# Altium PCB PCB.PcbDoc (part 2 of 4) (continued)
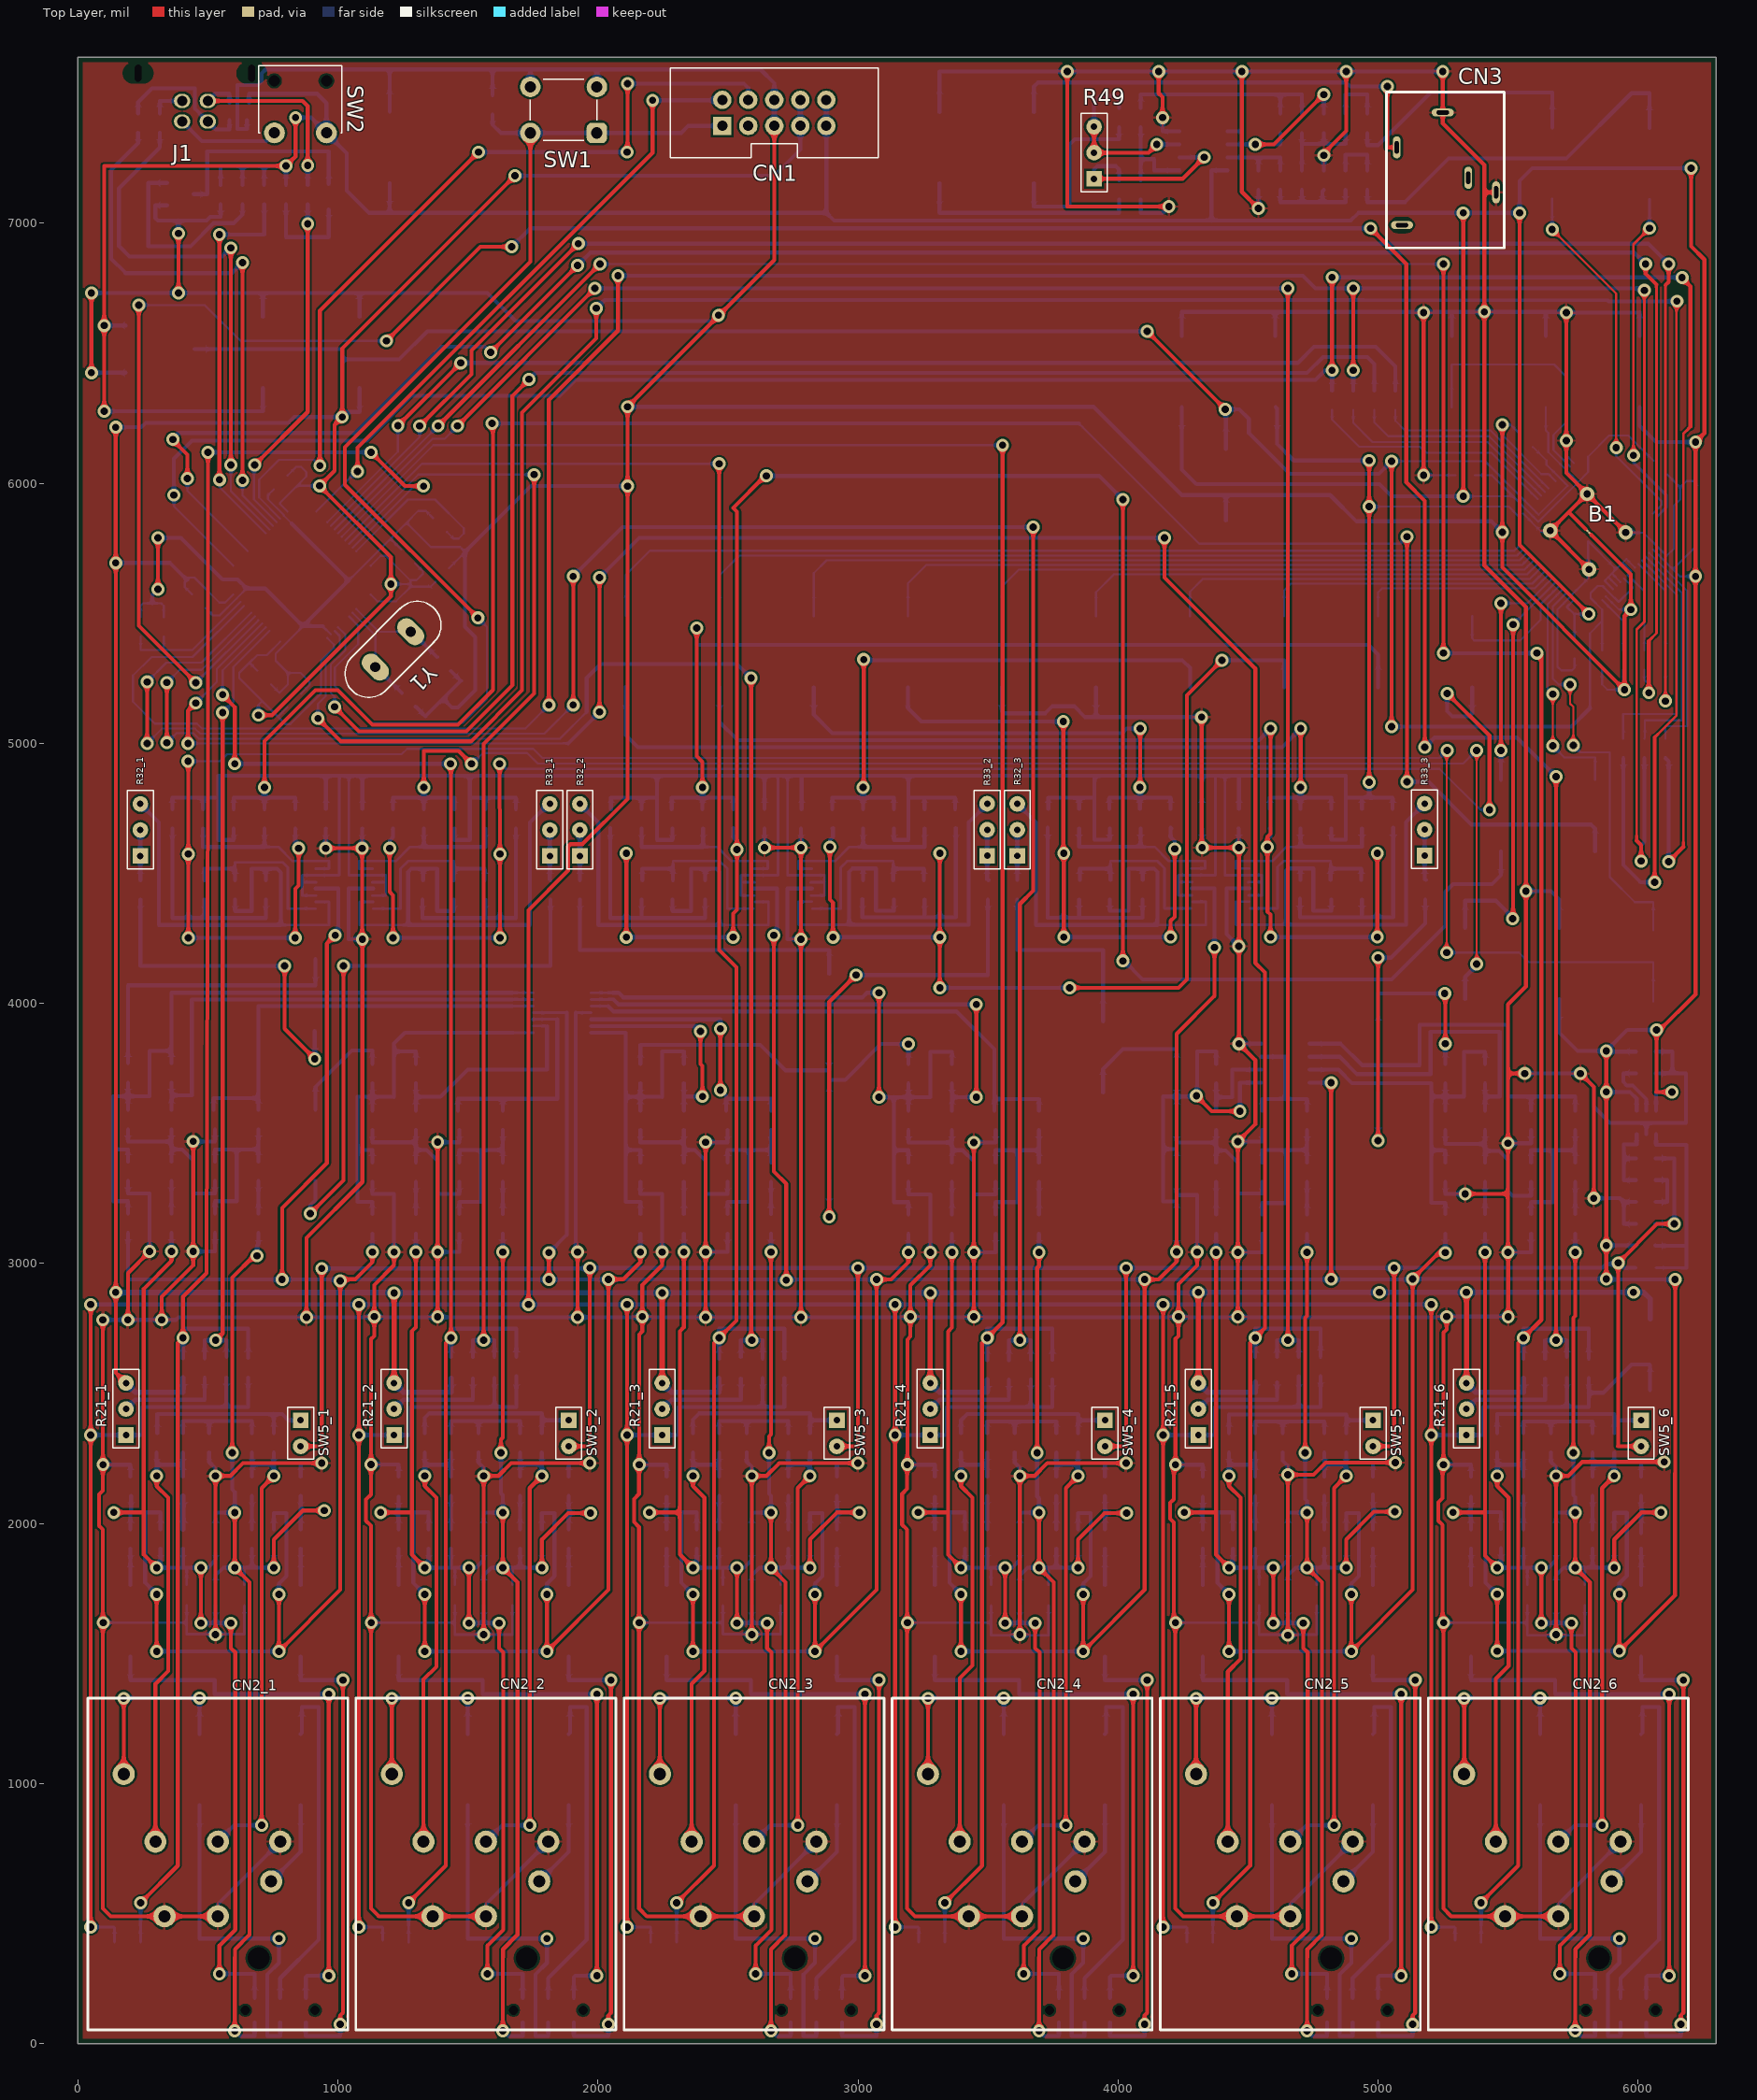
[diagram p0: Top Layer view]
## Nets (pads, with @x,y where several pads share a name; then routed paths per layer and width w, separated by ;. In a path a pad name is that pad's centre, name@x,y a point inside that pad or via, vN(x,y) a via of type N, cw(c..) or ccw(c..) an arc to the next point about the centre after c; other vN are vias at no path point) (continued)
  Bottom Layer w8: v1(5174.7,6031) C25.2@5297.24,6031 ; U3.2@5557.23,5883.37 5626.13,5814.47 U3.EPAD@5662.13,5814.47 ; v1(5723.43,6163.88) 5723.43,6106.92 U3.16@5752.1,6078.24 ; C29.2@5755.41,5326.77 5755.41,5290.35 5745.57,5280.51 5703.74,5280.51 5689.75,5294.5 5689.75,5514.24 5738.19,5562.68 U3.50@5738.19,5564.61 5807.09,5633.52 5807.09,5777.34 5915.14,5669.29 ; U3.45@5903.83,5592.45 5871.06,5625.22 5884.6,5638.75 ; U3.44@5917.75,5606.37 5885.37,5638.75 5884.6,5638.75 ; U3.43@5931.67,5620.29 5899.67,5652.28 5898.13,5652.28 ; v2(5952.04,5810.93) 5953.43,5809.55 6020.8,5809.55 U3.33@6070.86,5759.49 6109.38,5720.96 6136.81,5748.39 6136.81,5912.89 6161.42,5937.5 6161.42,5984.25 ; U3.40@5973.42,5662.05 5941.36,5694.11 5939.96,5694.11 ; U3.39@5987.34,5675.97 5954.58,5708.73 5939.96,5694.11 ; C30.2@6111.58,6034.08 6161.42,5984.25 ; C21.2@6222.93,5965.06 6222.93,6008.86 6186.02,6008.86 6161.42,5984.25 ; 5884.6,5638.75 5898.13,5652.28 ; 5898.13,5652.28 5915.14,5669.29 ; 5915.14,5669.29 5939.96,5694.11
  Bottom Layer w10: v1(96.76,1618.3) 418.31,1618.3 ; D3_1.2@418.31,1683.86 418.31,1618.3 ; D4_1.2@639.76,1683.86 639.76,1574.8 529.04,1574.8 418.31,1574.8 418.31,1618.3 ; v1(1127.76,1618.3) 1449.31,1618.3 ; D3_2.2@1449.31,1683.86 1449.31,1618.3 ; D4_2.2@1670.77,1683.86 1670.77,1572.34 1449.31,1572.34 1449.31,1618.3 ; 1914.37,3964.07 U7.11@1973.7,3964.07 ; v1(2158.77,1618.3) 2480.31,1618.3 ; D3_3.2@2480.32,1683.86 2480.31,1618.3 ; D4_3.2@2701.77,1683.86 2701.77,1574.8 2480.31,1574.8 2480.31,1618.3 ; v1(3189.77,1618.3) 3511.32,1618.3 ; D3_4.2@3511.32,1683.86 3511.32,1618.3 ; D4_4.2@3732.78,1683.86 3732.78,1569.88 3511.32,1569.88 3511.32,1618.3 ; v1(4220.78,1618.3) 4542.32,1618.3 ; D3_5.2@4542.32,1683.86 4542.32,1618.3 ; D4_5.2@4763.78,1683.86 4763.78,1572.34 4542.32,1572.34 4542.32,1618.3 ; v1(5251.78,1618.3) 5573.33,1618.3 ; D3_6.2@5573.33,1683.86 5573.33,1618.3 ; D4_6.2@5794.78,1683.86 5794.78,1569.88 5573.33,1569.88 5573.33,1618.3
  Bottom Layer w15: v1(95.96,2782.97) v1(191.93,2782.97) v1(322.34,2782.97) 376.48,2782.97 386.32,2792.82 v1(878.44,2792.82) v1(1921.75,2792.82) v1(2413.88,2792.82) v1(2780.51,2792.82) v1@5251.4,2792.82 ; v1(96.38,2226.07) 201.77,2226.07 R52.2@201.77,2180.31 ; R80.2@191.93,3316.44 191.93,3269.19 275.59,3269.19 v1@275.59,3049.7 ; v1(442.91,3046.26) 526.57,3046.26 R88.1@526.57,3117.13 ; v1@442.91,3468.5 526.57,3468.5 C73.2@526.57,3515.75 ; C91_1.2@504.43,2273.13 504.43,2236.71 529.04,2212.11 v1(529.04,2182.58) ; v1(529.03,1572.32) v1@529.04,1574.8 ; CN2_1.G@537.8,489.28 537.8,536.28 CN2_1.1@777.8,776.28 ; R54.2@856.3,2180.31 856.3,2231.79 v1(937.5,2231.79) ; v1(952.26,4596.46) 952.26,4671.12 C59_1.2@953.38,4672.24 ; v1(1092.52,4596.46) 1092.52,4671.12 C60_1.2@1093.64,4672.24 ; v1(1093.64,4247.05) 1040.85,4247.05 1040.85,4441.44 U4_1.11@1135.74,4441.44 ; v1(1126.97,2226.87) 1231.98,2226.87 1232.78,2226.07 R56.2@1232.78,2180.31 ; R91.2@1131.89,3313.98 1131.89,3266.73 1215.55,3266.73 v1@1215.55,3047.24 ; v1(1382.87,3043.8) 1466.54,3043.8 R100.1@1466.54,3114.67 ; v1@1382.87,3466.04 1466.54,3466.04 C77.2@1466.54,3513.29 ; C91_2.2@1540.35,2273.13 1540.35,2234.25 1560.04,2214.57 v1(1560.04,2182.58) ; CN2_2.G@1568.8,489.28 1568.8,536.28 CN2_2.1@1808.8,776.28 ; R58.2@1887.3,2180.31 1887.3,2231.79 v1(1968.5,2231.79) ; 1914.37,3964.07 1914.37,3051.18 v1(1921.75,3043.8) ; v1(2158.39,2226.07) 2263.78,2226.07 R60.2@2263.78,2180.31 ; R102.2@2162.89,3313.98 2162.89,3266.73 2246.56,3266.73 v1@2246.56,3047.24 ; v1(2413.88,3043.8) 2497.54,3043.8 R110.1@2497.54,3114.67 ; v1(2413.88,3466.04) 2497.54,3466.04 C79.2@2497.54,3513.29 ; C91_3.2@2571.36,2273.13 2571.36,2236.71 2591.04,2217.03 v1(2591.04,2182.58) ; CN2_3.G@2599.8,489.28 2599.8,536.28 CN2_3.1@2839.8,776.28 ; v1(2640.26,4598.92) C59_2.2@2640.26,4672.24 ; v1(2780.51,4247.05) 2727.72,4247.05 2727.72,4441.44 U4_2.11@2822.61,4441.44 ; v1(2780.51,4598.92) C60_2.2@2780.51,4672.24 ; R62.2@2918.31,2180.31 2918.31,2231.79 v1(2999.51,2231.79) ; v1(3189.39,2226.07) 3294.78,2226.07 R64.2@3294.78,2180.31 ; R113.2@3193.9,3312.99 3193.9,3265.75 3277.56,3265.75 v1@3277.56,3046.26 ; C67.2@3313.09,7427.85 3313.09,7583.66 v1(3804.13,7583.66) v1(4156,7583.66) v1(4475.88,7583.66) v1(4876.97,7583.66) v1(5248.52,7583.66) ; v1(3444.88,3042.81) 3528.54,3042.81 R121.1@3528.54,3113.68 ; v1(3444.88,3465.06) 3528.54,3465.06 C82.2@3528.54,3512.3 ; C36.2@3553.15,5214.87 3553.15,5123.03 3560.53,5115.65 3720.47,5115.65 3747.54,5142.72 3831.2,5142.72 3873.03,5100.89 3914.86,5100.89 ; C91_4.2@3602.36,2273.13 3602.36,2234.25 3622.05,2214.57 v1(3622.05,2182.58) ; CN2_4.G@3630.81,489.28 3630.81,536.28 CN2_4.1@3870.81,776.28 ; C32.2@3914.86,5214.87 3914.86,5100.89 ; R66.2@3949.31,2180.31 3949.31,2231.79 v1(4030.51,2231.79) ; R47.1@4087.11,7091.04 4087.11,7039.86 4170.77,7039.86 v1(4195.37,7064.47) ; v1(4170.77,7406.5) 4170.77,7353.54 U5.8@4235.25,7353.54 ; v1(4220.39,2226.07) 4325.79,2226.07 R68.2@4325.79,2180.31 ; R124.2@4224.76,3312.99 4224.76,3263.19 4235.12,3263.19 4235.51,3262.8 4303.64,3262.8 v1(4303.64,3043.8) ; C28.2@4244.59,6566.63 4244.59,6659.33 4603.84,6659.33 ; v1(4320.87,5100.89) 3914.86,5100.89 ; C59_3.2@4322.48,4672.74 4323.33,4671.89 v1(4323.33,4598.92) ; v1(4460.57,3042.81) 4554.07,3042.81 R132.1@4554.07,3113.68 ; v1(4460.57,3468.5) 4554.07,3468.5 C85.2@4554.07,3512.3 ; C60_3.2@4462.74,4672.74 4463.58,4671.89 v1(4463.58,4598.92) ; v1(4463.58,4219.98) 4416.83,4266.73 4416.83,4441.93 U4_3.11@4504.84,4441.93 ; v1(4464.76,3844.68) U8.4@4550.21,3844.68 ; v1(4539.86,7057.09) C66.2@4539.86,7127.95 ; C31.2@4603.84,6566.63 4603.84,6659.33 ; C91_5.2@4633.37,2273.13 4633.37,2241.63 4653.05,2221.95 v1(4653.05,2187.5) ; CN2_5.G@4661.81,489.28 4661.81,536.28 CN2_5.1@4901.81,776.28 ; v1(4790.81,7261.23) R48.1@4790.85,7202.75 R48.1@4790.85,7202.75 ; R70.2@4980.31,2180.31 4980.31,2234.25 v1(5066.44,2234.25) ; v1(5251.4,2226.07) 5356.79,2226.07 R72.2@5356.79,2180.31 ; R135.2@5258.37,3312.99 5258.37,3267.72 v1(5334.65,3267.72) ; v1(5263.29,2795.28) 5499.51,2795.28 v1(5499.92,2794.86) ; C35.2@5282.97,6566.63 5282.97,6656.87 5280.51,6659.33 ; v1(5499.51,3042.81) 5588.09,3042.81 R143.1@5588.09,3114.67 ; v1(5499.51,3462.11) 5588.09,3462.11 C88.2@5588.09,3512.3 ; v1(5563.48,3730.32) v1(5777.56,3730.32) 5829.23,3678.64 5829.23,3602.36 5891.24,3540.35 6031.5,3540.35 ; v1(5568.34,4431.59) 5664.37,4431.59 5696.36,4399.61 C19.2@5696.36,4290.54 ; C27.2@5644.69,6566.63 5644.69,6656.87 5642.22,6659.33 ; C91_6.2@5664.37,2273.13 5664.37,2236.71 5684.06,2217.03 v1(5684.06,2182.58) ; CN2_6.G@5692.81,489.28 5692.81,536.28 CN2_6.1@5932.81,776.28 ; v1(5723.36,6655.92) 6003.86,6655.92 6006.4,6658.46 C23.2@6006.4,6566.63 ; v1@5723.43,6659.33 5642.22,6659.33 ; v1(5829.23,3250.49) 5930.7,3250.49 5944.88,3236.31 ; C69.2@5991.14,3152.07 5944.88,3152.07 5944.88,3236.31 ; R77.1@5991.61,3236.31 5944.88,3236.31 ; R74.2@6011.32,2180.31 6011.32,2236.71 v1(6099.9,2236.71) ; U6.2@6031.5,3497.6 6031.5,3540.35 ; C70.2@6066.42,3730.9 6182.98,3730.9 6183.56,3730.31 6183.56,3540.35 6031.5,3540.35 ; C68.2@6066.42,3814.56 6131.4,3814.56 6131.4,3730.31 ; 4603.84,6659.33 5280.51,6659.33 ; 5280.51,6659.33 v1(5408.46,6659.33) 5642.22,6659.33
  other v1: 4653.05,1569.88 3444.88,2794.86 4460.57,2794.86
DGND: B1.2 C1.2 C2.2 C3.2 C4.2 C5.1 C6.1 C7.2 C8.2 C9.2 C10.2 C11.2 C12.2 C13.2 C14.2 C15.2 C20.2 C22.2 C24.2 C26.2 C49_1.2 C49_2.2 C49_3.2 C49_4.2 C49_5.2 C49_6.2 C50_1.2 C50_2.2 C50_3.2 C50_4.2 C50_5.2 C50_6.2 CN1.5 CN1.6 J1.5 J1.6 Q1.2 R1.1 R11.1 R21_1.1 R21_2.1 R21_3.1 R21_4.1 R21_5.1 R21_6.1 SP1.1 SW1.2 SW4_1.3 SW4_2.3 SW4_3.3 SW4_4.3 SW4_5.3 SW4_6.3 U1.1 U2.12 U2.18 U2.31 U2.47 U2.63 U3.11 U3.47 | length 49714.9
  Top Layer w8: B1.2@5811.59,5809.97 5819.39,5802.17
  Top Layer w15: v1(49.21,447.83) v1(49.21,2340.06) v1(49.21,2842.03) ; v1@49.21,6420.28 v1@54.13,6425.2 ; v1@50.01,6733.08 49.21,6732.28 51.67,6729.82 v1(51.67,6425.2) ; v1(307.58,5593.01) v1(307.58,5789.86) ; v1(386.32,6732.28) v1(386.32,6961.12) ; v1(1080.22,447.83) v1(1080.22,2340.06) v1(1080.22,2841.93) ; v1(1732.28,2842.03) 1732.28,4358.54 1884.48,4510.74 1884.48,4603.35 1893.56,4612.43 1939.83,4612.43 2113.68,4786.28 v1(2113.68,5989.17) v1(2113.68,6294.29) 2677.85,6858.46 CN1.5@2677.85,7374.51 ; v1(2111.22,447.83) v1(2111.22,2842.03) ; v1(3142.22,447.83) v1(3142.22,2340.06) v1(3142.22,2842.03) ; v1(4173.23,447.83) v1(4173.23,2340.06) v1(4173.23,2842.03) ; v1(5204.23,447.83) v1(5204.23,2340.06) v1(5204.23,2842.03) ; v1(5477.36,6225.39) v1(5477.36,5812.01) 5477.36,5676.54 v1(5947.27,5206.63) 5947.27,5489.59 v1(5971.95,5514.27) 5971.95,5649.61 5819.39,5802.17
  Bottom Layer w8: C12.2@241.14,5485.24 241.14,5529.04 250.98,5538.88 285.43,5538.88 319.88,5538.88 329.72,5529.04 C11.2@329.72,5485.24 ; C8.2@491.51,5519.81 519.19,5492.13 545.02,5492.13 U2.31@610.75,5557.86 648.36,5595.47 ; C4.2@742.49,5227 775.1,5194.39 807.09,5226.38 807.09,5270.67 ; C9.2@753.57,5977.49 730.81,5954.72 730.81,5938.91 U2.47@791.71,5878.01 791.71,5875.63 821.85,5845.48 821.85,5845.05 ; C7.2@858.14,5191.31 890.75,5223.92 890.75,5236.22 856.3,5270.67 807.09,5270.67 ; 865.09,5450.3 U2.18@791.71,5376.91 760.33,5345.54 760.33,5317.42 807.09,5270.67 ; 941.03,5450.3 U2.12@972.66,5418.67 ; 1040.85,5626.05 U2.63@1111.85,5697.06 1201.49,5786.7 ; C10.2@1243.24,5744.95 1201.49,5786.7 ; R1.1@1366.27,5865.52 1338.58,5893.21 1308,5893.21 1263.71,5848.92 ; C3.2@1426.55,5673.59 1488.68,5735.73 1469,5755.41 1357.22,5755.41 1263.71,5848.92 ; C26.2@5541.96,6192.79 5509.35,6225.39 v1(5477.36,6225.39) 5477.36,6186.02 5627.46,6035.93 5655.23,6035.93 U3.11@5682.51,6008.64 ; C22.2@5861.22,5282.48 5861.22,5226.38 5880.97,5206.63 v1(5947.27,5206.63) 5947.27,5238.75 5942.42,5243.6 R11.1@5942.42,5282.48 ; U3.47@5875.99,5564.61 5926.33,5514.27 v1(5971.95,5514.27) ; 1201.49,5786.7 1263.71,5848.92
  Bottom Layer w10: v1(49.21,447.83) 138.39,447.83 140.55,445.67 SW4_1.3@140.55,390.26 ; v1(1080.22,447.83) 1169.39,447.83 1171.56,445.67 SW4_2.3@1171.56,397.64 ; v1(2111.22,447.83) 2200.39,447.83 2202.56,445.67 SW4_3.3@2202.56,390.26 ; v1(3142.22,447.83) 3231.4,447.83 3233.56,445.67 SW4_4.3@3233.56,390.26 ; v1(4173.23,447.83) 4262.4,447.83 4264.57,445.67 SW4_5.3@4264.57,390.26 ; v1(5204.23,447.83) 5293.41,447.83 5295.57,445.67 SW4_6.3@5295.57,397.64
  Bottom Layer w15: v1(49.21,2340.06) R21_1.1@184.55,2340.06 248.52,2340.06 248.52,2448.33 570.87,2448.33 ; v1(49.21,2842.03) 81.2,2842.03 760.33,2841.96 v1(1080.22,2841.93) v1@3142.22,2841.93 ; v1@49.21,6425.2 v1(51.67,6425.2) U1.1@183.56,6425.2 ; v1@49.21,6732.28 v1(51.67,6732.28) v1(386.32,6732.28) 711.12,6732.28 ; 285.43,5538.88 285.43,5570.87 v1(307.58,5593.01) ; v1(307.58,5789.86) 396.16,5789.86 556.1,5629.92 613.91,5629.92 648.36,5595.47 719.91,5595.47 865.09,5450.3 ; Q1.2@342.52,7068.72 297.74,7068.72 297.74,7020.18 307.58,7010.33 386.32,7010.33 ; v1(386.32,6961.12) 386.32,7010.33 ; C15.2@548.72,7072.15 548.72,7025.1 509.35,7025.1 494.59,7010.33 386.32,7010.33 ; C49_1.2@570.87,2561.42 570.87,2448.33 ; SP1.1@649.61,7395.97 649.61,7363 612.7,7363 612.7,7531.99 691.44,7531.99 706.2,7546.75 706.2,7576.28 721.76,7591.84 1198.33,7591.84 ; C50_1.2@654.53,2561.42 654.53,2448.33 570.87,2448.33 ; C1.2@711.12,6640.44 711.12,6732.28 ; 821.85,5845.05 1040.85,5626.05 865.09,5450.3 ; 941.03,5450.3 865.09,5450.3 ; v1(1080.22,2340.06) R21_2.1@1215.55,2340.06 1279.53,2340.06 1279.53,2448.33 1601.87,2448.33 ; C2.2@1082.67,6640.44 1082.67,6732.28 ; C14.2@1198.33,7428.64 1198.33,7591.84 ; C6.1@1298.59,5140.88 1336.12,5103.35 1404.4,5171.63 ; C5.1@1433.93,5278.67 1472.69,5239.91 1404.4,5171.63 ; C13.2@1594.49,7493.11 1594.49,7591.84 ; C49_2.2@1601.87,2558.96 1601.87,2448.33 ; C50_2.2@1685.53,2566.34 1685.53,2448.33 1601.87,2448.33 ; SW1.2@1739.67,7524.61 1739.67,7589.38 1737.2,7591.84 ; SW1.2@1995.57,7524.61 1995.57,7591.84 ; v1(2111.22,2340.06) R21_3.1@2246.55,2340.06 2310.53,2340.06 2310.53,2448.33 2632.87,2448.33 ; v1(2113.68,6294.29) 3905.02,6294.29 4244.59,5954.72 4414.37,5954.72 ; v1@2118.6,5989.17 v1(2113.68,5989.17) 1742.13,5989.17 1488.68,5735.73 1488.68,5447.83 1528.05,5408.46 1528.05,5204.23 1461.61,5137.8 1438.24,5137.8 1404.4,5171.63 ; v1(2463.09,6646.16) 2440.94,6624.02 1683.07,6624.02 1574.8,6732.28 1082.67,6732.28 ; C49_3.2@2632.87,2558.96 2632.87,2448.33 ; CN1.5@2677.85,7374.51 CN1.6@2677.85,7474.51 2677.85,7538.68 2624.7,7591.84 1995.57,7591.84 ; C50_3.2@2716.54,2558.96 2716.54,2448.33 2632.87,2448.33 ; v1(3142.22,2340.06) R21_4.1@3277.56,2340.06 3341.54,2340.06 3341.54,2448.33 3663.88,2448.33 ; v1(3142.22,2842.03) v1(4173.23,2842.03) v1(5204.23,2842.03) ; C49_4.2@3663.88,2554.04 3663.88,2448.33 ; C50_4.2@3747.54,2554.04 3747.54,2448.33 3663.88,2448.33 ; v1(4173.23,2340.06) R21_5.1@4308.56,2340.06 4372.54,2340.06 4372.54,2448.33 4694.88,2448.33 ; C24.2@4414.37,5857.09 4414.37,5954.72 ; C49_5.2@4694.88,2566.34 4694.88,2448.33 ; C50_5.2@4778.54,2566.34 4778.54,2448.33 4694.88,2448.33 ; v1(5204.23,2340.06) R21_6.1@5339.57,2340.06 5403.54,2340.06 5403.54,2448.33 5725.89,2448.33 ; v1(5477.36,5812.01) 5435.53,5853.84 4916.34,5853.84 4815.45,5954.72 4414.37,5954.72 ; C49_6.2@5725.89,2558.96 5725.89,2448.33 ; C50_6.2@5809.55,2558.96 5809.55,2502.46 ; C20.2@6045.77,2513.1 6045.77,2608.27 6043.31,2610.73 5974.41,2610.73 5866.14,2502.46 5809.55,2502.46 ; 711.12,6732.28 1082.67,6732.28 ; 1198.33,7591.84 1594.49,7591.84 ; 1594.49,7591.84 1737.2,7591.84 ; 1737.2,7591.84 1995.57,7591.84 ; 5725.89,2448.33 5809.55,2448.33 5809.55,2502.46
NetC5_2: C5.2 U2.5 Y1.1 | length 387.4
  Bottom Layer w8: U2.5@1070.09,5516.11 1157.05,5429.15 Y1.1@1279.54,5429.15
  Bottom Layer w15: Y1.1@1279.54,5429.15 1283.45,5429.15 C5.2@1381.03,5331.56
NetC6_2: C6.2 U2.6 Y1.2 | length 388.4
  Bottom Layer w8: U2.6@1056.17,5502.19 1143.69,5414.67 Y1.2@1143.69,5293.29
  Bottom Layer w15: Y1.2@1143.69,5293.29 1146.17,5293.29 C6.2@1245.7,5193.77
NetC11_1: C11.1 C12.1 U2.30 | length 562.4
  Bottom Layer w8: C12.1@241.14,5410.43 241.14,5359.25 329.72,5359.25 ; C11.1@329.72,5410.43 329.72,5359.25 ; U2.30@624.67,5543.94 439.98,5359.25 329.72,5359.25
NetC13_1: C13.1 CN1.1 SW1.1 U2.7 | length 4645.4
  Top Layer w15: v1(1537.89,5482.28) 1026.08,5994.09 1026.08,6139.27 1739.67,6852.85 SW1.1@1739.67,7347.44
  Bottom Layer w8: U2.7@1042.26,5488.27 1077.76,5452.77 1077.76,5381.4 987.95,5291.59 987.95,5220.22 1129.43,5078.74 1478.84,5078.74 1572.34,5172.24 1572.34,5447.83 v1(1537.89,5482.28)
  Bottom Layer w15: C13.1@1594.49,7418.31 1594.49,7379.43 1626.48,7347.44 SW1.1@1739.67,7347.44 SW1.1@1995.57,7347.44 2320.37,7347.44 2347.44,7374.51 CN1.1@2477.85,7374.51
NetC16_1_1: C16_1.1 R8_1.1 | length 140.6
  Bottom Layer w15: C16_1.1@201.77,1762.68 R8_1.1@201.77,1903.24
NetC16_1_2: C16_1.2 SW3_1.1 | length 2162
  Top Layer w15: v1(964.57,260.83) v1(964.57,1343.5)
  Bottom Layer w15: C16_1.2@201.77,1488.68 201.77,1397.64 525.96,1397.64 525.96,1343.5 v1(964.57,1343.5) ; SW3_1.1@875.98,175.2 875.98,255.91 880.91,260.83 890.75,260.83 v1(964.57,260.83)
NetC16_2_1: C16_2.1 R8_2.1 | length 140.6
  Bottom Layer w15: C16_2.1@1232.78,1762.68 R8_2.1@1232.78,1903.24
NetC16_2_2: C16_2.2 SW3_2.1 | length 2162
  Top Layer w15: v1(1995.57,260.83) v1(1995.57,1343.5)
  Bottom Layer w15: C16_2.2@1232.78,1488.68 1232.78,1397.64 1556.96,1397.64 1556.96,1343.5 v1(1995.57,1343.5) ; SW3_2.1@1906.99,175.2 1906.99,255.91 1911.91,260.83 1921.75,260.83 v1(1995.57,260.83)
NetC16_3_1: C16_3.1 R8_3.1 | length 140.6
  Bottom Layer w15: C16_3.1@2263.78,1762.68 R8_3.1@2263.78,1903.24
NetC16_3_2: C16_3.2 SW3_3.1 | length 2162
  Top Layer w15: v1(3026.57,260.83) v1(3026.57,1343.5)
  Bottom Layer w15: C16_3.2@2263.78,1488.68 2263.78,1397.64 2587.97,1397.64 2587.97,1343.5 v1(3026.57,1343.5) ; SW3_3.1@2937.99,175.2 2937.99,255.91 2942.91,260.83 2952.76,260.83 v1(3026.57,260.83)
NetC16_4_1: C16_4.1 R8_4.1 | length 140.6
  Bottom Layer w15: C16_4.1@3294.78,1762.68 R8_4.1@3294.78,1903.24
NetC16_4_2: C16_4.2 SW3_4.1 | length 2162
  Top Layer w15: v1(4057.58,260.83) v1(4057.58,1343.5)
  Bottom Layer w15: C16_4.2@3294.78,1488.68 3294.78,1397.64 3618.97,1397.64 3618.97,1343.5 v1(4057.58,1343.5) ; SW3_4.1@3969,175.2 3969,255.91 3973.92,260.83 3983.76,260.83 v1(4057.58,260.83)
NetC16_5_1: C16_5.1 R8_5.1 | length 140.6
  Bottom Layer w15: C16_5.1@4325.79,1762.68 R8_5.1@4325.79,1903.24
NetC16_5_2: C16_5.2 SW3_5.1 | length 2162
  Top Layer w15: v1(5088.58,260.83) v1(5088.58,1343.5)
  Bottom Layer w15: C16_5.2@4325.79,1488.68 4325.79,1397.64 4649.98,1397.64 4649.98,1343.5 v1(5088.58,1343.5) ; SW3_5.1@5000,175.2 5000,255.91 5004.92,260.83 5014.76,260.83 v1(5088.58,260.83)
NetC16_6_1: C16_6.1 R8_6.1 | length 140.6
  Bottom Layer w15: C16_6.1@5356.79,1762.68 R8_6.1@5356.79,1903.24
NetC16_6_2: C16_6.2 SW3_6.1 | length 2162
  Top Layer w15: v1(6119.59,260.83) v1(6119.59,1343.5)
  Bottom Layer w15: C16_6.2@5356.79,1488.68 5356.79,1397.64 5680.98,1397.64 5680.98,1343.5 v1(6119.59,1343.5) ; SW3_6.1@6031,175.2 6031,255.91 6035.93,260.83 6045.77,260.83 v1(6119.59,260.83)
NetC17_1_1: C17_1.1 D3_1.1 R8_1.2 R9_1.2 R51.2 R52.1 R81.1 R144_1.1 SW3_1.3 | length 4213.5
  Top Layer w15: v1(137.8,2042.32) 252.1,2042.32 252.89,2041.53 ; v1(302.66,1829.91) 252.89,1879.68 252.89,2041.53 ; v1(359.25,3046.26) 359.25,3009.35 252.89,2902.99 252.89,2041.53 ; v1(472.44,1616.63) v1(472.44,1829.91) ; v1(543.8,268.21) 543.8,376.48 604.92,437.6 604.92,1503.84 588.09,1520.67 v1(588.09,1616.63) ; v1@604.92,1616.63 v1@604.92,1618.3
  Bottom Layer w10: D3_1.1@418.31,1764.36 418.31,1829.91
  Bottom Layer w15: R8_1.2@201.77,1978.04 201.77,2042.32 v1(137.8,2042.32) 204.23,2042.32 R52.1@204.23,2105.5 ; R51.2@317.42,1903.24 317.42,1844.68 v1(302.66,1829.91) 403.54,1829.91 ; v1(359.25,3046.26) R81.1@359.25,3117.13 ; R144_1.1@403.54,1903.24 403.54,1829.91 ; v1(472.44,1616.63) 529.04,1616.63 ; C17_1.1@529.04,1681.78 529.04,1616.63 ; R9_1.2@529.04,1886.02 529.04,1859.44 499.51,1829.91 v1(472.44,1829.91) 418.31,1829.91 403.54,1829.91 ; v1(543.8,268.21) 679.13,268.21 SW3_1.3@679.13,175.2 ; v1(588.09,1616.63) 529.04,1616.63
NetC17_1_2: C17_1.2 D4_1.1 R9_1.1 R10_1.2 R53.2 R54.1 R85.1 R147_1.1 SW3_1.6 | length 4483.1
  Top Layer w15: v1(593.01,2271.16) 593.01,2945.37 676.67,3029.04 v1(688.98,3029.04) ; v1(602.85,49.21) 602.85,331.14 603.52,331.81 603.52,362.38 659.45,418.31 659.45,1773.32 v1(602.85,1829.91) v1(602.85,2041.53) ; v1(752.95,1829.91) 752.95,1938.18 864.48,2049.7 v1(947.34,2049.7)
  Bottom Layer w10: D4_1.1@639.76,1764.36 639.76,1829.91
  Bottom Layer w15: C17_1.2@529.04,1773.81 529.04,1800.39 558.56,1829.91 v1(602.85,1829.91) 639.76,1829.91 669.29,1829.91 ; R9_1.1@529.04,1978.04 529.04,2041.53 v1(602.85,2041.53) 602.85,2121.06 593.01,2130.91 v1(593.01,2271.16) ; v1(602.85,49.21) 622.54,29.53 679.13,29.53 SW3_1.6@679.13,80.71 ; R147_1.1@669.29,1903.24 669.29,1829.91 ; v1(688.98,3029.04) 688.98,3068.41 693.9,3073.33 R85.1@693.9,3117.13 ; R53.2@752.95,1903.24 v1(752.95,1829.91) 669.29,1829.91 ; R10_1.2@856.3,1978.04 856.3,2049.7 ; R54.1@856.3,2105.5 856.3,2049.7 ; v1(947.34,2049.7) 856.3,2049.7
NetC17_2_1: C17_2.1 D3_2.1 R8_2.2 R9_2.2 R55.2 R56.1 R92.1 R144_2.1 SW3_2.3 | length 4113.2
  Top Layer w15: v1(1163.88,2042.32) 1283.71,2042.32 1283.9,2042.51 ; v1(1299.21,3043.8) 1299.21,2754.43 1283.9,2739.11 1283.9,2042.51 ; v1@1333.66,1830.9 1283.9,1880.66 1283.9,2042.51 ; v1(1503.44,1616.63) v1(1503.44,1829.91) ; v1(1574.8,268.21) 1574.8,376.48 1635.93,437.6 1635.93,1503.84 1619.09,1520.67 v1(1619.09,1616.63) ; v1@1635.93,1616.63 v1@1635.93,1618.3
  Bottom Layer w10: D3_2.1@1449.31,1764.36 1449.31,1829.91
  Bottom Layer w15: v1(1163.88,2042.32) 1232.78,2042.32 ; R8_2.2@1232.78,1978.04 1232.78,2042.32 ; R56.1@1232.78,2103.04 1232.78,2042.32 ; v1(1299.21,3043.8) R92.1@1299.21,3114.67 ; R55.2@1348.43,1903.24 1348.43,1844.68 v1(1333.66,1829.91) 1434.55,1829.91 ; R144_2.1@1434.25,1903.24 1434.25,1830.21 1434.55,1829.91 ; v1(1503.44,1616.63) 1560.04,1616.63 ; C17_2.1@1560.04,1681.78 1560.04,1616.63 ; R9_2.2@1560.04,1886.02 1560.04,1859.44 1530.51,1829.91 v1(1503.44,1829.91) 1449.31,1829.91 1434.55,1829.91 ; v1(1574.8,268.21) 1710.14,268.21 SW3_2.3@1710.14,175.2 ; v1(1619.09,1616.63) 1560.04,1616.63
NetC17_2_2: C17_2.2 D4_2.1 R9_2.1 R10_2.2 R57.2 R58.1 R97.1 R147_2.1 SW3_2.6 | length 4414.8
  Top Layer w15: v1(1626.48,2271.16) 1626.48,2322.83 1633.86,2330.22 v1(1633.86,3043.8) ; v1(1633.86,49.21) 1633.86,331.14 1634.53,331.81 1634.53,362.38 1690.45,418.31 1690.45,1773.32 v1(1633.86,1829.91) v1(1633.86,2041.53) ; v1(1783.96,1829.91) 1783.96,1938.18 1885.64,2039.86 v1(1970.96,2039.86)
  Bottom Layer w10: D4_2.1@1670.77,1764.36 1670.77,1829.91
  Bottom Layer w15: C17_2.2@1560.04,1773.81 1560.04,1800.39 1589.57,1829.91 v1(1633.86,1829.91) 1670.77,1829.91 1700.3,1829.91 ; R9_2.1@1560.04,1978.04 1560.04,2041.53 v1(1633.86,2041.53) 1633.86,2108.76 1626.48,2116.14 v1(1626.48,2271.16) ; v1(1633.86,49.21) 1653.54,29.53 1710.14,29.53 SW3_2.6@1710.14,80.71 ; v1(1633.86,3043.8) R97.1@1633.86,3114.67 ; R147_2.1@1700.3,1903.24 1700.3,1829.91 ; R57.2@1783.96,1903.24 v1(1783.96,1829.91) 1700.3,1829.91 ; R10_2.2@1887.3,1978.04 1887.3,2039.86 ; R58.1@1887.3,2105.5 1887.3,2039.86 ; v1(1970.96,2039.86) 1887.3,2039.86
NetC17_3_1: C17_3.1 D3_3.1 R8_3.2 R9_3.2 R59.2 R60.1 R103.1 R144_3.1 SW3_3.3 | length 4108.2
  Top Layer w15: v1@2197.34,2042.51 2314.9,2042.51 ; v1(2330.22,3043.8) 2330.22,2754.43 2314.9,2739.11 2314.9,2042.51 ; v1@2364.67,1830.9 2314.9,1880.66 2314.9,2042.51 ; v1(2534.45,1616.63) v1(2534.45,1829.91) ; v1(2605.81,268.21) 2605.81,376.48 2666.93,437.6 2666.93,1503.84 2650.1,1520.67 v1(2650.1,1616.63) ; v1@2666.93,1616.63 v1@2666.93,1618.3
  Bottom Layer w10: D3_3.1@2480.32,1764.36 2480.31,1829.91
  Bottom Layer w15: v1(2197.34,2042.32) 2199.5,2042.32 2263.78,2042.32 ; R8_3.2@2263.78,1978.04 2263.78,2042.32 ; R60.1@2263.78,2103.04 2263.78,2042.32 ; v1(2330.22,3043.8) R103.1@2330.22,3114.67 ; R59.2@2379.43,1903.24 2379.43,1844.68 v1(2364.67,1829.91) 2465.55,1829.91 ; R144_3.1@2465.26,1903.24 2465.26,1830.21 2465.55,1829.91 ; v1(2534.45,1616.63) 2591.04,1616.63 ; C17_3.1@2591.04,1681.78 2591.04,1616.63 ; R9_3.2@2591.04,1886.02 2591.04,1859.44 2561.52,1829.91 v1(2534.45,1829.91) 2480.31,1829.91 2465.55,1829.91 ; v1(2605.81,268.21) 2741.14,268.21 SW3_3.3@2741.14,175.2 ; v1(2650.1,1616.63) 2591.04,1616.63
NetC17_3_2: C17_3.2 D4_3.1 R9_3.1 R10_3.2 R61.2 R62.1 R107.1 R147_3.1 SW3_3.6 | length 4420.8
  Top Layer w15: v1(2657.48,2271.16) 2657.48,2335.14 2664.86,2342.52 v1(2664.86,3043.8) ; v1(2664.86,49.21) 2664.86,331.14 2665.53,331.81 2665.53,362.38 2721.46,418.31 2721.46,1773.32 v1(2664.86,1829.91) v1(2664.86,2041.53) ; v1(2814.96,1829.91) 2814.96,1938.18 2919.1,2042.32 v1(3004.43,2042.32)
  Bottom Layer w10: D4_3.1@2701.77,1764.36 2701.77,1829.91
  Bottom Layer w15: C17_3.2@2591.04,1773.81 2591.04,1800.39 2620.57,1829.91 v1(2664.86,1829.91) 2701.77,1829.91 2731.3,1829.91 ; R9_3.1@2591.04,1978.04 2591.04,2041.53 v1(2664.86,2041.53) 2664.86,2106.3 2657.48,2113.68 v1(2657.48,2271.16) ; v1(2664.86,49.21) 2684.55,29.53 2741.14,29.53 SW3_3.6@2741.14,80.71 ; v1(2664.86,3043.8) R107.1@2664.86,3114.67 ; R147_3.1@2731.3,1903.24 2731.3,1829.91 ; R61.2@2814.96,1903.24 v1(2814.96,1829.91) 2731.3,1829.91 ; R10_3.2@2918.31,1978.04 2918.31,2042.32 ; R62.1@2918.31,2105.5 2918.31,2042.32 ; v1(3004.43,2042.32) 2918.31,2042.32
NetC17_4_1: C17_4.1 D3_4.1 R8_4.2 R9_4.2 R63.2 R64.1 R114.1 R144_4.1 SW3_4.3 | length 4103.6
  Top Layer w15: v1(3230.81,2042.32) 3345.11,2042.32 3345.91,2041.53 ; v1(3361.22,3042.81) 3361.22,2753.44 3345.91,2738.13 3345.91,2041.53 ; v1(3395.67,1829.91) 3345.91,1879.68 3345.91,2041.53 ; v1(3565.45,1616.63) v1(3565.45,1829.91) ; v1(3636.81,268.21) 3636.81,376.48 3697.93,437.6 3697.93,1503.84 3681.1,1520.67 v1(3681.1,1616.63) ; v1@3697.93,1616.63 v1@3697.93,1618.3
  Bottom Layer w10: D3_4.1@3511.32,1764.36 3511.32,1829.91
  Bottom Layer w15: v1(3230.81,2042.32) 3294.78,2042.32 ; R8_4.2@3294.78,1978.04 3294.78,2042.32 ; R64.1@3294.78,2103.04 3294.78,2042.32 ; v1(3361.22,3042.81) R114.1@3361.22,3113.68 ; R63.2@3410.43,1903.24 3410.43,1844.68 v1(3395.67,1829.91) 3496.56,1829.91 ; R144_4.1@3496.26,1903.24 3496.26,1830.21 3496.56,1829.91 ; v1(3565.45,1616.63) 3622.05,1616.63 ; C17_4.1@3622.05,1681.78 3622.05,1616.63 ; R9_4.2@3622.05,1886.02 3622.05,1859.44 3592.52,1829.91 v1(3565.45,1829.91) 3511.32,1829.91 3496.56,1829.91 ; v1(3636.81,268.21) 3772.15,268.21 SW3_4.3@3772.15,175.2 ; v1(3681.1,1616.63) 3622.05,1616.63